# Altium PCB V1_PCB-main.PcbDoc (part 1 of 7) (continued)
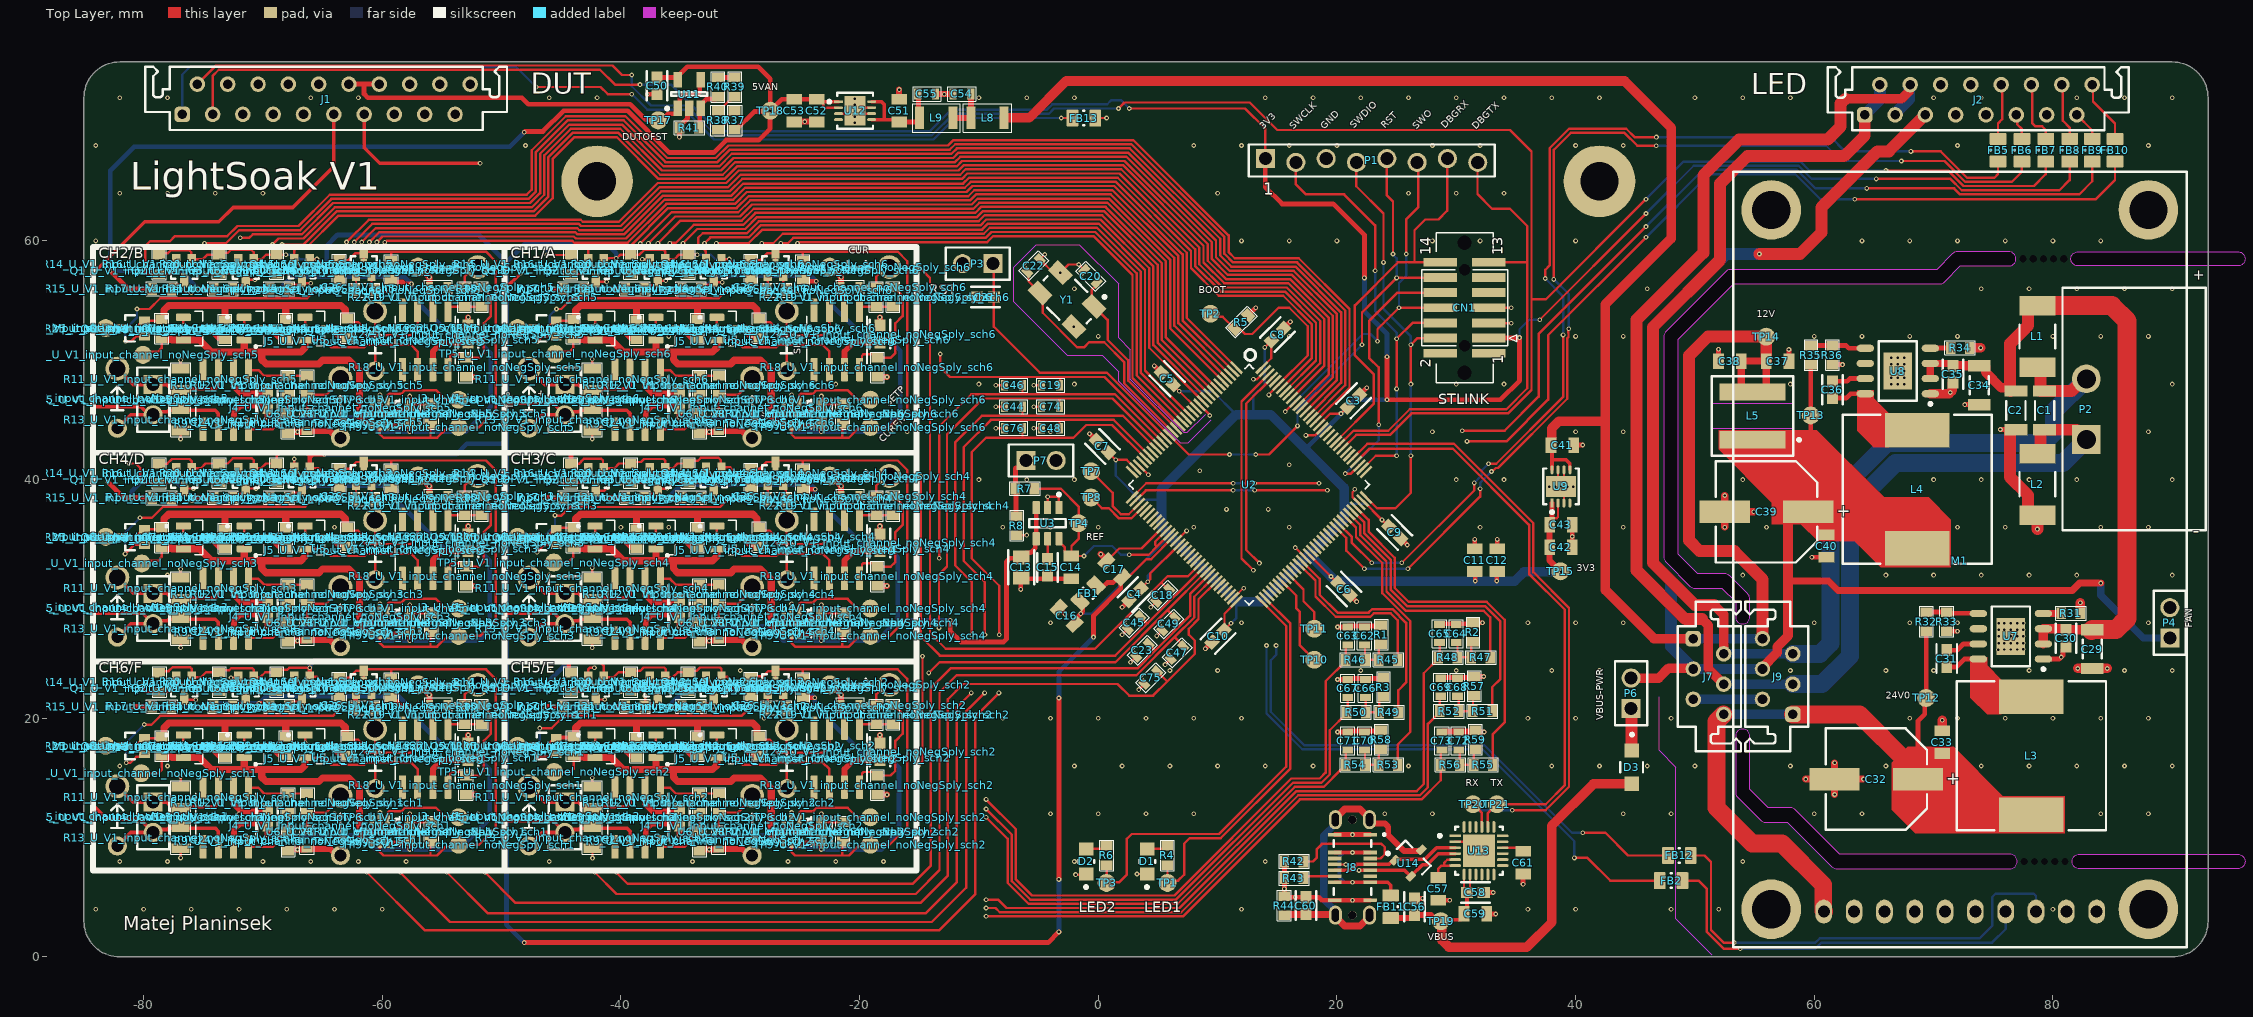
[diagram p0: Top Layer view]
## Classes and differential pairs (continued)
component class U_V1_input_channel_noNegSply_sch2: C24_U_V1_input_channel_noNegSply_sch2 C25_U_V1_input_channel_noNegSply_sch2 C26_U_V1_input_channel_noNegSply_sch2 C27_U_V1_input_channel_noNegSply_sch2 C28_U_V1_input_channel_noNegSply_sch2 J3_U_V1_input_channel_noNegSply_sch2 J4_U_V1_input_channel_noNegSply_sch2 J5_U_V1_input_channel_noNegSply_sch2 J6_U_V1_input_channel_noNegSply_sch2 P5_U_V1_input_channel_noNegSply_sch2 Q1_U_V1_input_channel_noNegSply_sch2 Q2_U_V1_input_channel_noNegSply_sch2 Q3_U_V1_input_channel_noNegSply_sch2 Q4_U_V1_input_channel_noNegSply_sch2 Q5_U_V1_input_channel_noNegSply_sch2 Q6_U_V1_input_channel_noNegSply_sch2 Q7_U_V1_input_channel_noNegSply_sch2 Q8_U_V1_input_channel_noNegSply_sch2 R9_U_V1_input_channel_noNegSply_sch2 R10_U_V1_input_channel_noNegSply_sch2 R11_U_V1_input_channel_noNegSply_sch2 R12_U_V1_input_channel_noNegSply_sch2 R13_U_V1_input_channel_noNegSply_sch2 R14_U_V1_input_channel_noNegSply_sch2 R15_U_V1_input_channel_noNegSply_sch2 R16_U_V1_input_channel_noNegSply_sch2 R17_U_V1_input_channel_noNegSply_sch2 R18_U_V1_input_channel_noNegSply_sch2 R19_U_V1_input_channel_noNegSply_sch2 R20_U_V1_input_channel_noNegSply_sch2 R21_U_V1_input_channel_noNegSply_sch2 R22_U_V1_input_channel_noNegSply_sch2 R23_U_V1_input_channel_noNegSply_sch2 R24_U_V1_input_channel_noNegSply_sch2 R25_U_V1_input_channel_noNegSply_sch2 R26_U_V1_input_channel_noNegSply_sch2 R27_U_V1_input_channel_noNegSply_sch2 R28_U_V1_input_channel_noNegSply_sch2 R29_U_V1_input_channel_noNegSply_sch2 R30_U_V1_input_channel_noNegSply_sch2 TP5_U_V1_input_channel_noNegSply_sch2 TP6_U_V1_input_channel_noNegSply_sch2 TP9_U_V1_input_channel_noNegSply_sch2 TP22_U_V1_input_channel_noNegSply_sch2 U4_U_V1_input_channel_noNegSply_sch2 U5_U_V1_input_channel_noNegSply_sch2 U6_U_V1_input_channel_noNegSply_sch2
component class U_V1_input_channel_noNegSply_sch1: C24_U_V1_input_channel_noNegSply_sch1 C25_U_V1_input_channel_noNegSply_sch1 C26_U_V1_input_channel_noNegSply_sch1 C27_U_V1_input_channel_noNegSply_sch1 C28_U_V1_input_channel_noNegSply_sch1 J3_U_V1_input_channel_noNegSply_sch1 J4_U_V1_input_channel_noNegSply_sch1 J5_U_V1_input_channel_noNegSply_sch1 J6_U_V1_input_channel_noNegSply_sch1 P5_U_V1_input_channel_noNegSply_sch1 Q1_U_V1_input_channel_noNegSply_sch1 Q2_U_V1_input_channel_noNegSply_sch1 Q3_U_V1_input_channel_noNegSply_sch1 Q4_U_V1_input_channel_noNegSply_sch1 Q5_U_V1_input_channel_noNegSply_sch1 Q6_U_V1_input_channel_noNegSply_sch1 Q7_U_V1_input_channel_noNegSply_sch1 Q8_U_V1_input_channel_noNegSply_sch1 R9_U_V1_input_channel_noNegSply_sch1 R10_U_V1_input_channel_noNegSply_sch1 R11_U_V1_input_channel_noNegSply_sch1 R12_U_V1_input_channel_noNegSply_sch1 R13_U_V1_input_channel_noNegSply_sch1 R14_U_V1_input_channel_noNegSply_sch1 R15_U_V1_input_channel_noNegSply_sch1 R16_U_V1_input_channel_noNegSply_sch1 R17_U_V1_input_channel_noNegSply_sch1 R18_U_V1_input_channel_noNegSply_sch1 R19_U_V1_input_channel_noNegSply_sch1 R20_U_V1_input_channel_noNegSply_sch1 R21_U_V1_input_channel_noNegSply_sch1 R22_U_V1_input_channel_noNegSply_sch1 R23_U_V1_input_channel_noNegSply_sch1 R24_U_V1_input_channel_noNegSply_sch1 R25_U_V1_input_channel_noNegSply_sch1 R26_U_V1_input_channel_noNegSply_sch1 R27_U_V1_input_channel_noNegSply_sch1 R28_U_V1_input_channel_noNegSply_sch1 R29_U_V1_input_channel_noNegSply_sch1 R30_U_V1_input_channel_noNegSply_sch1 TP5_U_V1_input_channel_noNegSply_sch1 TP6_U_V1_input_channel_noNegSply_sch1 TP9_U_V1_input_channel_noNegSply_sch1 TP22_U_V1_input_channel_noNegSply_sch1 U4_U_V1_input_channel_noNegSply_sch1 U5_U_V1_input_channel_noNegSply_sch1 U6_U_V1_input_channel_noNegSply_sch1
differential pair USB_D: +USB_D_P -USB_D_N

## Components (designator, comment, footprint, x,y, rotation, side; value= is the part's Value field where it differs from the comment)
C1 "885012208094" FP-885012208094-IPC_B 79.3,45.8 r270 top
C2 "885012208094" FP-885012208094-IPC_B 76.9,45.8 r270 top
C3 "885012206095" FP-885012206095-IPC_B 21.4,46.6 r45 top
C4 "885012206095" FP-885012206095-IPC_B 3.075,30.375 r225 top
C5 "885012206095" FP-885012206095-IPC_B 5.775,48.45 r135 top
C6 "885012206095" FP-885012206095-IPC_B 20.6,30.825 r315 top
C7 "885012206095" FP-885012206095-IPC_B 0.344,42.776 r135 top
C8 "885012206095" FP-885012206095-IPC_B 15.025,52.15 r45 top
C9 "885012206095" FP-885012206095-IPC_B 24.844,35.576 r315 top
C10 "885012206095" FP-885012206095-IPC_B 10.044,26.876 r225 top
C11 "885012107018" WCAP-CSGP_0805_L2W1.25H1.25 31.556,33.253 r270 top
C12 "885012107018" WCAP-CSGP_0805_L2W1.25H1.25 33.43,33.253 r270 top
C13 "885012207078" FP-885012207078-IPC_B -6.446,32.646 r270 top
C14 "885012107018" WCAP-CSGP_0805_L2W1.25H1.25 -2.246,32.646 r90 top
C15 "885012206095" FP-885012206095-IPC_B -4.246,32.646 r270 top
C16 "885012107018" WCAP-CSGP_0805_L2W1.25H1.25 -2.653,28.575 r315 top
C17 "885012107018" WCAP-CSGP_0805_L2W1.25H1.25 1.351,32.48 r315 top
C18 "PN_C0603_TBD" FPR_0603_C_R0 5.4,30.3 r225 top value=TBD
C19 "PN_C0603_TBD" FPR_0603_C_R0 -4,47.9 r180 top value=TBD
C20 "PN_C0603_10p" FPR_0603_C_R0 -0.645,57.039 r135 top value=10p
C21 "885012206095" FP-885012206095-IPC_B -9.45,55.3 r180 top
C22 "PN_C0603_10p" FPR_0603_C_R0 -5.418,57.923 r45 top value=10p
C23 "PN_C0603_TBD" FPR_0603_C_R0 3.7,25.7 r225 top value=TBD
C24_U_V1_input_channel_noNegSply_sch1 "PN_C0603_TBD" FPR_0603_C_R0 -66.3,9.8 r90 top value=TBD (schematic designator C24)
C24_U_V1_input_channel_noNegSply_sch2 "PN_C0603_TBD" FPR_0603_C_R0 -31.8,9.8 r90 top value=TBD (schematic designator C24)
C24_U_V1_input_channel_noNegSply_sch3 "PN_C0603_TBD" FPR_0603_C_R0 -66.3,27.3 r90 top value=TBD (schematic designator C24)
C24_U_V1_input_channel_noNegSply_sch4 "PN_C0603_TBD" FPR_0603_C_R0 -31.8,27.3 r90 top value=TBD (schematic designator C24)
C24_U_V1_input_channel_noNegSply_sch5 "PN_C0603_TBD" FPR_0603_C_R0 -66.3,44.8 r90 top value=TBD (schematic designator C24)
C24_U_V1_input_channel_noNegSply_sch6 "PN_C0603_TBD" FPR_0603_C_R0 -31.8,44.8 r90 top value=TBD (schematic designator C24)
C25_U_V1_input_channel_noNegSply_sch1 "885012206095" FP-885012206095-IPC_B -69.6,11.7 r90 top (schematic designator C25)
C25_U_V1_input_channel_noNegSply_sch2 "885012206095" FP-885012206095-IPC_B -35.1,11.7 r90 top (schematic designator C25)
C25_U_V1_input_channel_noNegSply_sch3 "885012206095" FP-885012206095-IPC_B -69.6,29.2 r90 top (schematic designator C25)
C25_U_V1_input_channel_noNegSply_sch4 "885012206095" FP-885012206095-IPC_B -35.1,29.2 r90 top (schematic designator C25)
C25_U_V1_input_channel_noNegSply_sch5 "885012206095" FP-885012206095-IPC_B -69.6,46.7 r90 top (schematic designator C25)
C25_U_V1_input_channel_noNegSply_sch6 "885012206095" FP-885012206095-IPC_B -35.1,46.7 r90 top (schematic designator C25)
C26_U_V1_input_channel_noNegSply_sch1 "PN_C0603_TBD" FPR_0603_C_R0 -55.3,21.1 r0 top value=TBD (schematic designator C26)
C26_U_V1_input_channel_noNegSply_sch2 "PN_C0603_TBD" FPR_0603_C_R0 -20.8,21.1 r0 top value=TBD (schematic designator C26)
C26_U_V1_input_channel_noNegSply_sch3 "PN_C0603_TBD" FPR_0603_C_R0 -55.3,38.6 r0 top value=TBD (schematic designator C26)
C26_U_V1_input_channel_noNegSply_sch4 "PN_C0603_TBD" FPR_0603_C_R0 -20.8,38.6 r0 top value=TBD (schematic designator C26)
C26_U_V1_input_channel_noNegSply_sch5 "PN_C0603_TBD" FPR_0603_C_R0 -55.3,56.1 r0 top value=TBD (schematic designator C26)
C26_U_V1_input_channel_noNegSply_sch6 "PN_C0603_TBD" FPR_0603_C_R0 -20.8,56.1 r0 top value=TBD (schematic designator C26)
C27_U_V1_input_channel_noNegSply_sch1 "885012206095" FP-885012206095-IPC_B -52.8,17.2 r90 top (schematic designator C27)
C27_U_V1_input_channel_noNegSply_sch2 "885012206095" FP-885012206095-IPC_B -18.3,17.2 r90 top (schematic designator C27)
C27_U_V1_input_channel_noNegSply_sch3 "885012206095" FP-885012206095-IPC_B -52.8,34.7 r90 top (schematic designator C27)
C27_U_V1_input_channel_noNegSply_sch4 "885012206095" FP-885012206095-IPC_B -18.3,34.7 r90 top (schematic designator C27)
C27_U_V1_input_channel_noNegSply_sch5 "885012206095" FP-885012206095-IPC_B -52.8,52.2 r90 top (schematic designator C27)
C27_U_V1_input_channel_noNegSply_sch6 "885012206095" FP-885012206095-IPC_B -18.3,52.2 r90 top (schematic designator C27)
C28_U_V1_input_channel_noNegSply_sch1 "885012206095" FP-885012206095-IPC_B -57.7,10.5 r90 top (schematic designator C28)
C28_U_V1_input_channel_noNegSply_sch2 "885012206095" FP-885012206095-IPC_B -23.2,10.5 r90 top (schematic designator C28)
C28_U_V1_input_channel_noNegSply_sch3 "885012206095" FP-885012206095-IPC_B -57.7,28 r90 top (schematic designator C28)
C28_U_V1_input_channel_noNegSply_sch4 "885012206095" FP-885012206095-IPC_B -23.2,28 r90 top (schematic designator C28)
C28_U_V1_input_channel_noNegSply_sch5 "885012206095" FP-885012206095-IPC_B -57.7,45.5 r90 top (schematic designator C28)
C28_U_V1_input_channel_noNegSply_sch6 "885012206095" FP-885012206095-IPC_B -23.2,45.5 r90 top (schematic designator C28)
C29 "885012208094" FP-885012208094-IPC_B 83.3,25.8 r270 top
C30 "885012206095" FP-885012206095-IPC_B 81.1,26.7 r270 top
C31 "885012206095" FP-885012206095-IPC_B 71.1,25 r270 top
C32 "875115552001" WCAP-PSHP_D8H8.7 65.2,14.9 r0 top
C33 "885012107018" WCAP-CSGP_0805_L2W1.25H1.25 70.725,18 r270 top
C34 "885012208094" FP-885012208094-IPC_B 73.825,47.909 r270 top
C35 "885012206095" FP-885012206095-IPC_B 71.625,48.833 r270 top
C36 "885012206095" FP-885012206095-IPC_B 61.525,47.535 r270 top
C37 "885012107018" WCAP-CSGP_0805_L2W1.25H1.25 56.925,49.935 r180 top
C38 "885012107018" WCAP-CSGP_0805_L2W1.25H1.25 52.925,49.935 r0 top
C39 "875115552001" WCAP-PSHP_D8H8.7 56,37.3 r0 top
C40 "885012107018" WCAP-CSGP_0805_L2W1.25H1.25 61.025,34.435 r90 top
C41 "885012107018" WCAP-CSGP_0805_L2W1.25H1.25 38.891,42.895 r180 top
C42 "885012107018" WCAP-CSGP_0805_L2W1.25H1.25 38.775,34.325 r180 top
C43 "885012107018" WCAP-CSGP_0805_L2W1.25H1.25 38.775,36.225 r180 top
C44 "PN_C0603_TBD" FPR_0603_C_R0 -7.1,46.1 r180 top value=TBD
C45 "PN_C0603_TBD" FPR_0603_C_R0 3,28 r225 top value=TBD
C46 "PN_C0603_TBD" FPR_0603_C_R0 -7.1,47.9 r180 top value=TBD
C47 "PN_C0603_TBD" FPR_0603_C_R0 6.6,25.5 r225 top value=TBD
C48 "PN_C0603_TBD" FPR_0603_C_R0 -4,44.3 r180 top value=TBD
C49 "PN_C0603_TBD" FPR_0603_C_R0 5.9,27.9 r225 top value=TBD
C50 "885012206095" FP-885012206095-IPC_B -36.975,73 r270 top
C51 "885012107018" WCAP-CSGP_0805_L2W1.25H1.25 -16.682,70.916 r270 top
C52 "885012107018" WCAP-CSGP_0805_L2W1.25H1.25 -23.582,70.916 r90 top
C53 "885012107018" WCAP-CSGP_0805_L2W1.25H1.25 -25.482,70.916 r90 top
C54 "PN_C0603_TBD" FPR_0603_C_R0 -11.432,72.316 r0 top value=TBD
C55 "PN_C0603_TBD" FPR_0603_C_R0 -14.382,72.316 r180 top value=TBD
C56 "885012206095" FP-885012206095-IPC_B 26.5,4.2 r90 top
C57 "885012107018" WCAP-CSGP_0805_L2W1.25H1.25 28.5,5.7 r90 top
C58 "885012206095" FP-885012206095-IPC_B 31.6,5.4 r0 top
C59 "885012107018" WCAP-CSGP_0805_L2W1.25H1.25 31.6,3.6 r180 top
C60 "885012206095" FP-885012206095-IPC_B 17.4,4.3 r90 top
C61 "885012107018" WCAP-CSGP_0805_L2W1.25H1.25 35.6,7.9 r90 top
C62 "PN_C0603_TBD" FPR_0603_C_R0 22.3,26.9 r270 top value=TBD
C63 "PN_C0603_TBD" FPR_0603_C_R0 20.9,26.9 r270 top value=TBD
C64 "PN_C0603_TBD" FPR_0603_C_R0 30,27.1 r270 top value=TBD
C65 "PN_C0603_TBD" FPR_0603_C_R0 28.6,27.1 r270 top value=TBD
C66 "PN_C0603_TBD" FPR_0603_C_R0 22.4,22.5 r270 top value=TBD
C67 "PN_C0603_TBD" FPR_0603_C_R0 20.9,22.5 r270 top value=TBD
C68 "PN_C0603_TBD" FPR_0603_C_R0 30.1,22.6 r270 top value=TBD
C69 "PN_C0603_TBD" FPR_0603_C_R0 28.7,22.6 r270 top value=TBD
C70 "PN_C0603_TBD" FPR_0603_C_R0 22.3,18.1 r270 top value=TBD
C71 "PN_C0603_TBD" FPR_0603_C_R0 20.9,18.1 r270 top value=TBD
C72 "PN_C0603_TBD" FPR_0603_C_R0 30.2,18.1 r270 top value=TBD
C73 "PN_C0603_TBD" FPR_0603_C_R0 28.8,18.1 r270 top value=TBD
C74 "PN_C0603_TBD" FPR_0603_C_R0 -4,46.1 r180 top value=TBD
C75 "PN_C0603_TBD" FPR_0603_C_R0 4.4,23.4 r225 top value=TBD
C76 "PN_C0603_TBD" FPR_0603_C_R0 -7.1,44.3 r180 top value=TBD
CN1 "FTSH-107-01-L-DV-K-A" CON_STDC14_Receiver_MEDIUM_WITH_MIPI10_3D 30.7,54.4 r90 top
D1 "150080SS75000" FP-150080SS75000-MFG 4.1,8 r90 top
D2 "150080SS75000" FP-150080SS75000-MFG -1,8 r90 top
D3 "PMEG3010ER,115" FP-SOD123W-MFG 44.7,15.9 r270 top
FB1 "120Ω @ 100MHz" SMD_0805 -0.853,30.475 r45 top
FB2 "120Ω @ 100MHz" SMD_0805 48,6.4 r180 top
FB5 "120Ω @ 100MHz" SMD_0805 75.4,67.6 r90 top
FB6 "120Ω @ 100MHz" SMD_0805 77.4,67.6 r270 top
FB7 "120Ω @ 100MHz" SMD_0805 79.4,67.6 r90 top
FB8 "120Ω @ 100MHz" SMD_0805 81.4,67.6 r90 top
FB9 "120Ω @ 100MHz" SMD_0805 83.3,67.6 r270 top
FB10 "120Ω @ 100MHz" SMD_0805 85.2,67.6 r90 top
FB11 "120Ω @ 100MHz" SMD_0805 24.5,4.2 r270 top
FB12 "120Ω @ 100MHz" SMD_0805 48.7,8.5 r180 top
FB13 "120Ω @ 100MHz" SMD_0805 -1.2,70.3 r0 top
J1 "690368192072" 690368192072 -64.695,71.95 r180 top
J2 "690368191672" 690368191672 73.755,71.91 r180 top
J3_U_V1_input_channel_noNegSply_sch1 "Scope probe point" "scope with ground spring probe point" -82.2,14.3 r0 top (schematic designator J3)
J3_U_V1_input_channel_noNegSply_sch2 "Scope probe point" "scope with ground spring probe point" -47.7,14.3 r0 top (schematic designator J3)
J3_U_V1_input_channel_noNegSply_sch3 "Scope probe point" "scope with ground spring probe point" -82.2,31.8 r0 top (schematic designator J3)
J3_U_V1_input_channel_noNegSply_sch4 "Scope probe point" "scope with ground spring probe point" -47.7,31.8 r0 top (schematic designator J3)
J3_U_V1_input_channel_noNegSply_sch5 "Scope probe point" "scope with ground spring probe point" -82.2,49.3 r0 top (schematic designator J3)
J3_U_V1_input_channel_noNegSply_sch6 "Scope probe point" "scope with ground spring probe point" -47.7,49.3 r0 top (schematic designator J3)
J4_U_V1_input_channel_noNegSply_sch1 "Scope probe point" "scope with ground spring probe point" -63.5,13.5 r0 top (schematic designator J4)
J4_U_V1_input_channel_noNegSply_sch2 "Scope probe point" "scope with ground spring probe point" -29,13.5 r0 top (schematic designator J4)
J4_U_V1_input_channel_noNegSply_sch3 "Scope probe point" "scope with ground spring probe point" -63.5,31 r0 top (schematic designator J4)
J4_U_V1_input_channel_noNegSply_sch4 "Scope probe point" "scope with ground spring probe point" -29,31 r0 top (schematic designator J4)
J4_U_V1_input_channel_noNegSply_sch5 "Scope probe point" "scope with ground spring probe point" -63.5,48.5 r0 top (schematic designator J4)
J4_U_V1_input_channel_noNegSply_sch6 "Scope probe point" "scope with ground spring probe point" -29,48.5 r0 top (schematic designator J4)
J5_U_V1_input_channel_noNegSply_sch1 "Scope probe point" "scope with ground spring probe point" -60.6,19.1 r0 top (schematic designator J5)
J5_U_V1_input_channel_noNegSply_sch2 "Scope probe point" "scope with ground spring probe point" -26.1,19.1 r0 top (schematic designator J5)
J5_U_V1_input_channel_noNegSply_sch3 "Scope probe point" "scope with ground spring probe point" -60.6,36.6 r0 top (schematic designator J5)
J5_U_V1_input_channel_noNegSply_sch4 "Scope probe point" "scope with ground spring probe point" -26.1,36.6 r0 top (schematic designator J5)
J5_U_V1_input_channel_noNegSply_sch5 "Scope probe point" "scope with ground spring probe point" -60.6,54.1 r0 top (schematic designator J5)
J5_U_V1_input_channel_noNegSply_sch6 "Scope probe point" "scope with ground spring probe point" -26.1,54.1 r0 top (schematic designator J5)
J6_U_V1_input_channel_noNegSply_sch1 "Scope probe point" "scope with ground spring probe point" -52,22.8 r270 top (schematic designator J6)
J6_U_V1_input_channel_noNegSply_sch2 "Scope probe point" "scope with ground spring probe point" -17.5,22.8 r270 top (schematic designator J6)
J6_U_V1_input_channel_noNegSply_sch3 "Scope probe point" "scope with ground spring probe point" -52,40.3 r270 top (schematic designator J6)
J6_U_V1_input_channel_noNegSply_sch4 "Scope probe point" "scope with ground spring probe point" -17.5,40.3 r270 top (schematic designator J6)
J6_U_V1_input_channel_noNegSply_sch5 "Scope probe point" "scope with ground spring probe point" -52,57.8 r270 top (schematic designator J6)
J6_U_V1_input_channel_noNegSply_sch6 "Scope probe point" "scope with ground spring probe point" -17.5,57.8 r270 top (schematic designator J6)
J7 "690368190672" 690368190672 51.21,23.495 r90 top
J8 "USB4145-03-0170-C_REVA2" GCT_USB4145-03-0170-C_REVA2 21.3,7.5 r270 top
J9 "690368190672" 690368190672 56.85,23.495 r270 top
L1 "74279252" SMD-1812 78.7,52 r90 top
L2 "74279252" SMD-1812 78.7,39.6 r270 top
L3 "7447709390" WE-PD-XXL 78.2,16.85 r270 top
L4 "7447709390" WE-PD-XXL 68.625,39.185 r270 top
L5 "10µH, 5A" WE-XHMI_6060_L6.65W6.45H5.8 54.825,45.335 r180 top
L8 "L-TBD" FPR_1216_R_R0 -9.282,70.316 r180 top value=TBD
L9 "L-TBD" FPR_1216_R_R0 -13.582,70.316 r180 top value=TBD
M1 "TEC-1091" tec1091-pins 91.2,0.8 r90 top locked
P1 "61300811121" 61300811121 22.91,66.74 r0 top
P2 "691317510002" 691317510002 86.8,45.9 r90 top
P3 "61300211121" 61300211121 -10.1,58.1 r180 top
P4 "61300211121" 61300211121 89.8,28 r90 top
P5_U_V1_input_channel_noNegSply_sch1 "61300211121" 61300211121 -79.2,11.7 r270 top (schematic designator P5)
P5_U_V1_input_channel_noNegSply_sch2 "61300211121" 61300211121 -44.7,11.7 r270 top (schematic designator P5)
P5_U_V1_input_channel_noNegSply_sch3 "61300211121" 61300211121 -79.2,29.2 r270 top (schematic designator P5)
P5_U_V1_input_channel_noNegSply_sch4 "61300211121" 61300211121 -44.7,29.2 r270 top (schematic designator P5)
P5_U_V1_input_channel_noNegSply_sch5 "61300211121" 61300211121 -79.2,46.7 r270 top (schematic designator P5)
P5_U_V1_input_channel_noNegSply_sch6 "61300211121" 61300211121 -44.7,46.7 r270 top (schematic designator P5)
P6 "61300211121" 61300211121 44.65,22.1 r90 top
P7 "61300211121" 61300211121 -4.8,41.6 r0 top
Q1_U_V1_input_channel_noNegSply_sch1 "PMZ600UNELYL" "DFN985X585X50-3N + SC-70 backup" -76.6,22.5 r270 top (schematic designator Q1)
Q1_U_V1_input_channel_noNegSply_sch2 "PMZ600UNELYL" "DFN985X585X50-3N + SC-70 backup" -42.1,22.5 r270 top (schematic designator Q1)
Q1_U_V1_input_channel_noNegSply_sch3 "PMZ600UNELYL" "DFN985X585X50-3N + SC-70 backup" -76.6,40 r270 top (schematic designator Q1)
Q1_U_V1_input_channel_noNegSply_sch4 "PMZ600UNELYL" "DFN985X585X50-3N + SC-70 backup" -42.1,40 r270 top (schematic designator Q1)
Q1_U_V1_input_channel_noNegSply_sch5 "PMZ600UNELYL" "DFN985X585X50-3N + SC-70 backup" -76.6,57.5 r270 top (schematic designator Q1)
Q1_U_V1_input_channel_noNegSply_sch6 "PMZ600UNELYL" "DFN985X585X50-3N + SC-70 backup" -42.1,57.5 r270 top (schematic designator Q1)
Q2_U_V1_input_channel_noNegSply_sch1 "PMZ600UNELYL" "DFN985X585X50-3N + SC-70 backup" -71.425,22.5 r270 top (schematic designator Q2)
Q2_U_V1_input_channel_noNegSply_sch2 "PMZ600UNELYL" "DFN985X585X50-3N + SC-70 backup" -36.925,22.5 r270 top (schematic designator Q2)
Q2_U_V1_input_channel_noNegSply_sch3 "PMZ600UNELYL" "DFN985X585X50-3N + SC-70 backup" -71.425,40 r270 top (schematic designator Q2)
Q2_U_V1_input_channel_noNegSply_sch4 "PMZ600UNELYL" "DFN985X585X50-3N + SC-70 backup" -36.925,40 r270 top (schematic designator Q2)
Q2_U_V1_input_channel_noNegSply_sch5 "PMZ600UNELYL" "DFN985X585X50-3N + SC-70 backup" -71.425,57.5 r270 top (schematic designator Q2)
Q2_U_V1_input_channel_noNegSply_sch6 "PMZ600UNELYL" "DFN985X585X50-3N + SC-70 backup" -36.925,57.5 r270 top (schematic designator Q2)
Q3_U_V1_input_channel_noNegSply_sch1 "PMZ600UNELYL" "DFN985X585X50-3N + SC-70 backup" -66.725,22.525 r270 top (schematic designator Q3)
Q3_U_V1_input_channel_noNegSply_sch2 "PMZ600UNELYL" "DFN985X585X50-3N + SC-70 backup" -32.225,22.525 r270 top (schematic designator Q3)
Q3_U_V1_input_channel_noNegSply_sch3 "PMZ600UNELYL" "DFN985X585X50-3N + SC-70 backup" -66.725,40.025 r270 top (schematic designator Q3)
Q3_U_V1_input_channel_noNegSply_sch4 "PMZ600UNELYL" "DFN985X585X50-3N + SC-70 backup" -32.225,40.025 r270 top (schematic designator Q3)
Q3_U_V1_input_channel_noNegSply_sch5 "PMZ600UNELYL" "DFN985X585X50-3N + SC-70 backup" -66.725,57.525 r270 top (schematic designator Q3)
Q3_U_V1_input_channel_noNegSply_sch6 "PMZ600UNELYL" "DFN985X585X50-3N + SC-70 backup" -32.225,57.525 r270 top (schematic designator Q3)
Q4_U_V1_input_channel_noNegSply_sch1 "PMZ600UNELYL" "DFN985X585X50-3N + SC-70 backup" -61.55,23.025 r90 top (schematic designator Q4)
Q4_U_V1_input_channel_noNegSply_sch2 "PMZ600UNELYL" "DFN985X585X50-3N + SC-70 backup" -27.05,23.025 r90 top (schematic designator Q4)
Q4_U_V1_input_channel_noNegSply_sch3 "PMZ600UNELYL" "DFN985X585X50-3N + SC-70 backup" -61.55,40.525 r90 top (schematic designator Q4)
Q4_U_V1_input_channel_noNegSply_sch4 "PMZ600UNELYL" "DFN985X585X50-3N + SC-70 backup" -27.05,40.525 r90 top (schematic designator Q4)
Q4_U_V1_input_channel_noNegSply_sch5 "PMZ600UNELYL" "DFN985X585X50-3N + SC-70 backup" -61.55,58.025 r90 top (schematic designator Q4)
Q4_U_V1_input_channel_noNegSply_sch6 "PMZ600UNELYL" "DFN985X585X50-3N + SC-70 backup" -27.05,58.025 r90 top (schematic designator Q4)
Q5_U_V1_input_channel_noNegSply_sch1 "PMZ600UNELYL" "DFN985X585X50-3N + SC-70 backup" -80.875,17.675 r180 top (schematic designator Q5)
Q5_U_V1_input_channel_noNegSply_sch2 "PMZ600UNELYL" "DFN985X585X50-3N + SC-70 backup" -46.375,17.675 r180 top (schematic designator Q5)
Q5_U_V1_input_channel_noNegSply_sch3 "PMZ600UNELYL" "DFN985X585X50-3N + SC-70 backup" -80.875,35.175 r180 top (schematic designator Q5)
Q5_U_V1_input_channel_noNegSply_sch4 "PMZ600UNELYL" "DFN985X585X50-3N + SC-70 backup" -46.375,35.175 r180 top (schematic designator Q5)
Q5_U_V1_input_channel_noNegSply_sch5 "PMZ600UNELYL" "DFN985X585X50-3N + SC-70 backup" -80.875,52.675 r180 top (schematic designator Q5)
Q5_U_V1_input_channel_noNegSply_sch6 "PMZ600UNELYL" "DFN985X585X50-3N + SC-70 backup" -46.375,52.675 r180 top (schematic designator Q5)
Q6_U_V1_input_channel_noNegSply_sch1 "PMV20XNEA" "SOT-23 for nexperia mosfets" -75.687,17.653 r0 top (schematic designator Q6)
Q6_U_V1_input_channel_noNegSply_sch2 "PMV20XNEA" "SOT-23 for nexperia mosfets" -41.187,17.653 r0 top (schematic designator Q6)
Q6_U_V1_input_channel_noNegSply_sch3 "PMV20XNEA" "SOT-23 for nexperia mosfets" -75.687,35.153 r0 top (schematic designator Q6)
Q6_U_V1_input_channel_noNegSply_sch4 "PMV20XNEA" "SOT-23 for nexperia mosfets" -41.187,35.153 r0 top (schematic designator Q6)
Q6_U_V1_input_channel_noNegSply_sch5 "PMV20XNEA" "SOT-23 for nexperia mosfets" -75.687,52.653 r0 top (schematic designator Q6)
Q6_U_V1_input_channel_noNegSply_sch6 "PMV20XNEA" "SOT-23 for nexperia mosfets" -41.187,52.653 r0 top (schematic designator Q6)
Q7_U_V1_input_channel_noNegSply_sch1 "PMV20XNEA" "SOT-23 for nexperia mosfets" -70.587,17.653 r0 top (schematic designator Q7)
Q7_U_V1_input_channel_noNegSply_sch2 "PMV20XNEA" "SOT-23 for nexperia mosfets" -36.087,17.653 r0 top (schematic designator Q7)
Q7_U_V1_input_channel_noNegSply_sch3 "PMV20XNEA" "SOT-23 for nexperia mosfets" -70.587,35.153 r0 top (schematic designator Q7)
Q7_U_V1_input_channel_noNegSply_sch4 "PMV20XNEA" "SOT-23 for nexperia mosfets" -36.087,35.153 r0 top (schematic designator Q7)
Q7_U_V1_input_channel_noNegSply_sch5 "PMV20XNEA" "SOT-23 for nexperia mosfets" -70.587,52.653 r0 top (schematic designator Q7)
Q7_U_V1_input_channel_noNegSply_sch6 "PMV20XNEA" "SOT-23 for nexperia mosfets" -36.087,52.653 r0 top (schematic designator Q7)
Q8_U_V1_input_channel_noNegSply_sch1 "PMV20XNEA" "SOT-23 for nexperia mosfets" -65.487,17.653 r0 top (schematic designator Q8)
Q8_U_V1_input_channel_noNegSply_sch2 "PMV20XNEA" "SOT-23 for nexperia mosfets" -30.987,17.653 r0 top (schematic designator Q8)
Q8_U_V1_input_channel_noNegSply_sch3 "PMV20XNEA" "SOT-23 for nexperia mosfets" -65.487,35.153 r0 top (schematic designator Q8)
Q8_U_V1_input_channel_noNegSply_sch4 "PMV20XNEA" "SOT-23 for nexperia mosfets" -30.987,35.153 r0 top (schematic designator Q8)
Q8_U_V1_input_channel_noNegSply_sch5 "PMV20XNEA" "SOT-23 for nexperia mosfets" -65.487,52.653 r0 top (schematic designator Q8)
Q8_U_V1_input_channel_noNegSply_sch6 "PMV20XNEA" "SOT-23 for nexperia mosfets" -30.987,52.653 r0 top (schematic designator Q8)
R1 "PN_R0603_TBD" FPR_0603_R_R0 23.7,27 r90 top value=TBD
R2 "PN_R0603_TBD" FPR_0603_R_R0 31.4,27.2 r90 top value=TBD
R3 "PN_R0603_TBD" FPR_0603_R_R0 23.9,22.6 r90 top value=TBD
R4 "PN_R0603_680R" FPR_0603_R_R0 5.8,8.5 r90 top value=680
R5 "PN_R0603_10k" FPR_0603_R_R0 12,53.2 r225 top value=10k
R6 "PN_R0603_680R" FPR_0603_R_R0 0.7,8.5 r90 top value=680
R7 "PN_R0603_1M" FPR_0603_R_R0 -6.146,39.246 r180 top value=1M
R8 "PN_R0603_1M" FPR_0603_R_R0 -6.846,36.146 r270 top value=1M
R9_U_V1_input_channel_noNegSply_sch1 "PN_R0603_47k_0%1_10ppm" FPR_0603_R_R0 -67.9,9.7 r270 top value=47k (schematic designator R9)
R9_U_V1_input_channel_noNegSply_sch2 "PN_R0603_47k_0%1_10ppm" FPR_0603_R_R0 -33.4,9.7 r270 top value=47k (schematic designator R9)
R9_U_V1_input_channel_noNegSply_sch3 "PN_R0603_47k_0%1_10ppm" FPR_0603_R_R0 -67.9,27.2 r270 top value=47k (schematic designator R9)
R9_U_V1_input_channel_noNegSply_sch4 "PN_R0603_47k_0%1_10ppm" FPR_0603_R_R0 -33.4,27.2 r270 top value=47k (schematic designator R9)
R9_U_V1_input_channel_noNegSply_sch5 "PN_R0603_47k_0%1_10ppm" FPR_0603_R_R0 -67.9,44.7 r270 top value=47k (schematic designator R9)
R9_U_V1_input_channel_noNegSply_sch6 "PN_R0603_47k_0%1_10ppm" FPR_0603_R_R0 -33.4,44.7 r270 top value=47k (schematic designator R9)
R10_U_V1_input_channel_noNegSply_sch1 "PN_R0603_47k_0%1_10ppm" FPR_0603_R_R0 -67.9,12.9 r270 top value=47k (schematic designator R10)
R10_U_V1_input_channel_noNegSply_sch2 "PN_R0603_47k_0%1_10ppm" FPR_0603_R_R0 -33.4,12.9 r270 top value=47k (schematic designator R10)
R10_U_V1_input_channel_noNegSply_sch3 "PN_R0603_47k_0%1_10ppm" FPR_0603_R_R0 -67.9,30.4 r270 top value=47k (schematic designator R10)
R10_U_V1_input_channel_noNegSply_sch4 "PN_R0603_47k_0%1_10ppm" FPR_0603_R_R0 -33.4,30.4 r270 top value=47k (schematic designator R10)
R10_U_V1_input_channel_noNegSply_sch5 "PN_R0603_47k_0%1_10ppm" FPR_0603_R_R0 -67.9,47.9 r270 top value=47k (schematic designator R10)
R10_U_V1_input_channel_noNegSply_sch6 "PN_R0603_47k_0%1_10ppm" FPR_0603_R_R0 -33.4,47.9 r270 top value=47k (schematic designator R10)
R11_U_V1_input_channel_noNegSply_sch1 "PN_R0603_TBD" FPR_0805_R_R0 -76.9,13.4 r90 top value=TBD (schematic designator R11)
R11_U_V1_input_channel_noNegSply_sch2 "PN_R0603_TBD" FPR_0805_R_R0 -42.4,13.4 r90 top value=TBD (schematic designator R11)
R11_U_V1_input_channel_noNegSply_sch3 "PN_R0603_TBD" FPR_0805_R_R0 -76.9,30.9 r90 top value=TBD (schematic designator R11)
R11_U_V1_input_channel_noNegSply_sch4 "PN_R0603_TBD" FPR_0805_R_R0 -42.4,30.9 r90 top value=TBD (schematic designator R11)
R11_U_V1_input_channel_noNegSply_sch5 "PN_R0603_TBD" FPR_0805_R_R0 -76.9,48.4 r90 top value=TBD (schematic designator R11)
R11_U_V1_input_channel_noNegSply_sch6 "PN_R0603_TBD" FPR_0805_R_R0 -42.4,48.4 r90 top value=TBD (schematic designator R11)
R12_U_V1_input_channel_noNegSply_sch1 "PN_R0603_TBD" FPR_0603_R_R0 -66.3,12.9 r90 top value=TBD (schematic designator R12)
R12_U_V1_input_channel_noNegSply_sch2 "PN_R0603_TBD" FPR_0603_R_R0 -31.8,12.9 r90 top value=TBD (schematic designator R12)
R12_U_V1_input_channel_noNegSply_sch3 "PN_R0603_TBD" FPR_0603_R_R0 -66.3,30.4 r90 top value=TBD (schematic designator R12)
R12_U_V1_input_channel_noNegSply_sch4 "PN_R0603_TBD" FPR_0603_R_R0 -31.8,30.4 r90 top value=TBD (schematic designator R12)
R12_U_V1_input_channel_noNegSply_sch5 "PN_R0603_TBD" FPR_0603_R_R0 -66.3,47.9 r90 top value=TBD (schematic designator R12)
R12_U_V1_input_channel_noNegSply_sch6 "PN_R0603_TBD" FPR_0603_R_R0 -31.8,47.9 r90 top value=TBD (schematic designator R12)
R13_U_V1_input_channel_noNegSply_sch1 "PN_R0603_TBD" FPR_0805_R_R0 -76.9,10 r90 top value=TBD (schematic designator R13)
R13_U_V1_input_channel_noNegSply_sch2 "PN_R0603_TBD" FPR_0805_R_R0 -42.4,10 r90 top value=TBD (schematic designator R13)
R13_U_V1_input_channel_noNegSply_sch3 "PN_R0603_TBD" FPR_0805_R_R0 -76.9,27.5 r90 top value=TBD (schematic designator R13)
R13_U_V1_input_channel_noNegSply_sch4 "PN_R0603_TBD" FPR_0805_R_R0 -42.4,27.5 r90 top value=TBD (schematic designator R13)
R13_U_V1_input_channel_noNegSply_sch5 "PN_R0603_TBD" FPR_0805_R_R0 -76.9,45 r90 top value=TBD (schematic designator R13)
R13_U_V1_input_channel_noNegSply_sch6 "PN_R0603_TBD" FPR_0805_R_R0 -42.4,45 r90 top value=TBD (schematic designator R13)
R14_U_V1_input_channel_noNegSply_sch1 "PN_R0603_10k" FPR_0603_R_R0 -78.7,23.025 r90 top value=10k (schematic designator R14)
R14_U_V1_input_channel_noNegSply_sch2 "PN_R0603_10k" FPR_0603_R_R0 -44.2,23.025 r90 top value=10k (schematic designator R14)
R14_U_V1_input_channel_noNegSply_sch3 "PN_R0603_10k" FPR_0603_R_R0 -78.7,40.525 r90 top value=10k (schematic designator R14)
R14_U_V1_input_channel_noNegSply_sch4 "PN_R0603_10k" FPR_0603_R_R0 -44.2,40.525 r90 top value=10k (schematic designator R14)
R14_U_V1_input_channel_noNegSply_sch5 "PN_R0603_10k" FPR_0603_R_R0 -78.7,58.025 r90 top value=10k (schematic designator R14)
R14_U_V1_input_channel_noNegSply_sch6 "PN_R0603_10k" FPR_0603_R_R0 -44.2,58.025 r90 top value=10k (schematic designator R14)
R15_U_V1_input_channel_noNegSply_sch1 "PN_R0603_10k" FPR_0603_R_R0 -78.475,20.975 r180 top value=10k (schematic designator R15)
R15_U_V1_input_channel_noNegSply_sch2 "PN_R0603_10k" FPR_0603_R_R0 -43.975,20.975 r180 top value=10k (schematic designator R15)
R15_U_V1_input_channel_noNegSply_sch3 "PN_R0603_10k" FPR_0603_R_R0 -78.475,38.475 r180 top value=10k (schematic designator R15)
R15_U_V1_input_channel_noNegSply_sch4 "PN_R0603_10k" FPR_0603_R_R0 -43.975,38.475 r180 top value=10k (schematic designator R15)
R15_U_V1_input_channel_noNegSply_sch5 "PN_R0603_10k" FPR_0603_R_R0 -78.475,55.975 r180 top value=10k (schematic designator R15)
R15_U_V1_input_channel_noNegSply_sch6 "PN_R0603_10k" FPR_0603_R_R0 -43.975,55.975 r180 top value=10k (schematic designator R15)
R16_U_V1_input_channel_noNegSply_sch1 "PN_R0603_10k" FPR_0603_R_R0 -73.675,23.05 r90 top value=10k (schematic designator R16)
R16_U_V1_input_channel_noNegSply_sch2 "PN_R0603_10k" FPR_0603_R_R0 -39.175,23.05 r90 top value=10k (schematic designator R16)
R16_U_V1_input_channel_noNegSply_sch3 "PN_R0603_10k" FPR_0603_R_R0 -73.675,40.55 r90 top value=10k (schematic designator R16)
R16_U_V1_input_channel_noNegSply_sch4 "PN_R0603_10k" FPR_0603_R_R0 -39.175,40.55 r90 top value=10k (schematic designator R16)
R16_U_V1_input_channel_noNegSply_sch5 "PN_R0603_10k" FPR_0603_R_R0 -73.675,58.05 r90 top value=10k (schematic designator R16)
R16_U_V1_input_channel_noNegSply_sch6 "PN_R0603_10k" FPR_0603_R_R0 -39.175,58.05 r90 top value=10k (schematic designator R16)
R17_U_V1_input_channel_noNegSply_sch1 "PN_R0603_10k" FPR_0603_R_R0 -73.325,21 r180 top value=10k (schematic designator R17)
R17_U_V1_input_channel_noNegSply_sch2 "PN_R0603_10k" FPR_0603_R_R0 -38.825,21 r180 top value=10k (schematic designator R17)
R17_U_V1_input_channel_noNegSply_sch3 "PN_R0603_10k" FPR_0603_R_R0 -73.325,38.5 r180 top value=10k (schematic designator R17)
R17_U_V1_input_channel_noNegSply_sch4 "PN_R0603_10k" FPR_0603_R_R0 -38.825,38.5 r180 top value=10k (schematic designator R17)
R17_U_V1_input_channel_noNegSply_sch5 "PN_R0603_10k" FPR_0603_R_R0 -73.325,56 r180 top value=10k (schematic designator R17)
R17_U_V1_input_channel_noNegSply_sch6 "PN_R0603_10k" FPR_0603_R_R0 -38.825,56 r180 top value=10k (schematic designator R17)
R18_U_V1_input_channel_noNegSply_sch1 "PN_R0603_TBDk_0%1_10ppm" FPR_0603_R_R0 -53,14.4 r270 top value=TBD (schematic designator R18)
R18_U_V1_input_channel_noNegSply_sch2 "PN_R0603_TBDk_0%1_10ppm" FPR_0603_R_R0 -18.5,14.4 r270 top value=TBD (schematic designator R18)
R18_U_V1_input_channel_noNegSply_sch3 "PN_R0603_TBDk_0%1_10ppm" FPR_0603_R_R0 -53,31.9 r270 top value=TBD (schematic designator R18)
R18_U_V1_input_channel_noNegSply_sch4 "PN_R0603_TBDk_0%1_10ppm" FPR_0603_R_R0 -18.5,31.9 r270 top value=TBD (schematic designator R18)
R18_U_V1_input_channel_noNegSply_sch5 "PN_R0603_TBDk_0%1_10ppm" FPR_0603_R_R0 -53,49.4 r270 top value=TBD (schematic designator R18)
R18_U_V1_input_channel_noNegSply_sch6 "PN_R0603_TBDk_0%1_10ppm" FPR_0603_R_R0 -18.5,49.4 r270 top value=TBD (schematic designator R18)
R19_U_V1_input_channel_noNegSply_sch1 "PN_R0603_TBDk_0%1_10ppm" FPR_0603_R_R0 -51.7,20.3 r90 top value=TBD (schematic designator R19)
R19_U_V1_input_channel_noNegSply_sch2 "PN_R0603_TBDk_0%1_10ppm" FPR_0603_R_R0 -17.2,20.3 r90 top value=TBD (schematic designator R19)
R19_U_V1_input_channel_noNegSply_sch3 "PN_R0603_TBDk_0%1_10ppm" FPR_0603_R_R0 -51.7,37.8 r90 top value=TBD (schematic designator R19)
R19_U_V1_input_channel_noNegSply_sch4 "PN_R0603_TBDk_0%1_10ppm" FPR_0603_R_R0 -17.2,37.8 r90 top value=TBD (schematic designator R19)
R19_U_V1_input_channel_noNegSply_sch5 "PN_R0603_TBDk_0%1_10ppm" FPR_0603_R_R0 -51.7,55.3 r90 top value=TBD (schematic designator R19)
R19_U_V1_input_channel_noNegSply_sch6 "PN_R0603_TBDk_0%1_10ppm" FPR_0603_R_R0 -17.2,55.3 r90 top value=TBD (schematic designator R19)
R20_U_V1_input_channel_noNegSply_sch1 "PN_R0603_10k" FPR_0603_R_R0 -68.85,23.05 r90 top value=10k (schematic designator R20)
R20_U_V1_input_channel_noNegSply_sch2 "PN_R0603_10k" FPR_0603_R_R0 -34.35,23.05 r90 top value=10k (schematic designator R20)
R20_U_V1_input_channel_noNegSply_sch3 "PN_R0603_10k" FPR_0603_R_R0 -68.85,40.55 r90 top value=10k (schematic designator R20)
R20_U_V1_input_channel_noNegSply_sch4 "PN_R0603_10k" FPR_0603_R_R0 -34.35,40.55 r90 top value=10k (schematic designator R20)
R20_U_V1_input_channel_noNegSply_sch5 "PN_R0603_10k" FPR_0603_R_R0 -68.85,58.05 r90 top value=10k (schematic designator R20)
R20_U_V1_input_channel_noNegSply_sch6 "PN_R0603_10k" FPR_0603_R_R0 -34.35,58.05 r90 top value=10k (schematic designator R20)
R21_U_V1_input_channel_noNegSply_sch1 "PN_R0603_10k" FPR_0603_R_R0 -68.625,21 r180 top value=10k (schematic designator R21)
R21_U_V1_input_channel_noNegSply_sch2 "PN_R0603_10k" FPR_0603_R_R0 -34.125,21 r180 top value=10k (schematic designator R21)
R21_U_V1_input_channel_noNegSply_sch3 "PN_R0603_10k" FPR_0603_R_R0 -68.625,38.5 r180 top value=10k (schematic designator R21)
R21_U_V1_input_channel_noNegSply_sch4 "PN_R0603_10k" FPR_0603_R_R0 -34.125,38.5 r180 top value=10k (schematic designator R21)
R21_U_V1_input_channel_noNegSply_sch5 "PN_R0603_10k" FPR_0603_R_R0 -68.625,56 r180 top value=10k (schematic designator R21)
R21_U_V1_input_channel_noNegSply_sch6 "PN_R0603_10k" FPR_0603_R_R0 -34.125,56 r180 top value=10k (schematic designator R21)
R22_U_V1_input_channel_noNegSply_sch1 "PN_R0603_TBD" FPR_0603_R_R0 -53.1,20.3 r270 top value=TBD (schematic designator R22)
R22_U_V1_input_channel_noNegSply_sch2 "PN_R0603_TBD" FPR_0603_R_R0 -18.6,20.3 r270 top value=TBD (schematic designator R22)
R22_U_V1_input_channel_noNegSply_sch3 "PN_R0603_TBD" FPR_0603_R_R0 -53.1,37.8 r270 top value=TBD (schematic designator R22)